# Altium PCB EPS.PcbDoc (part 5 of 10) (continued)
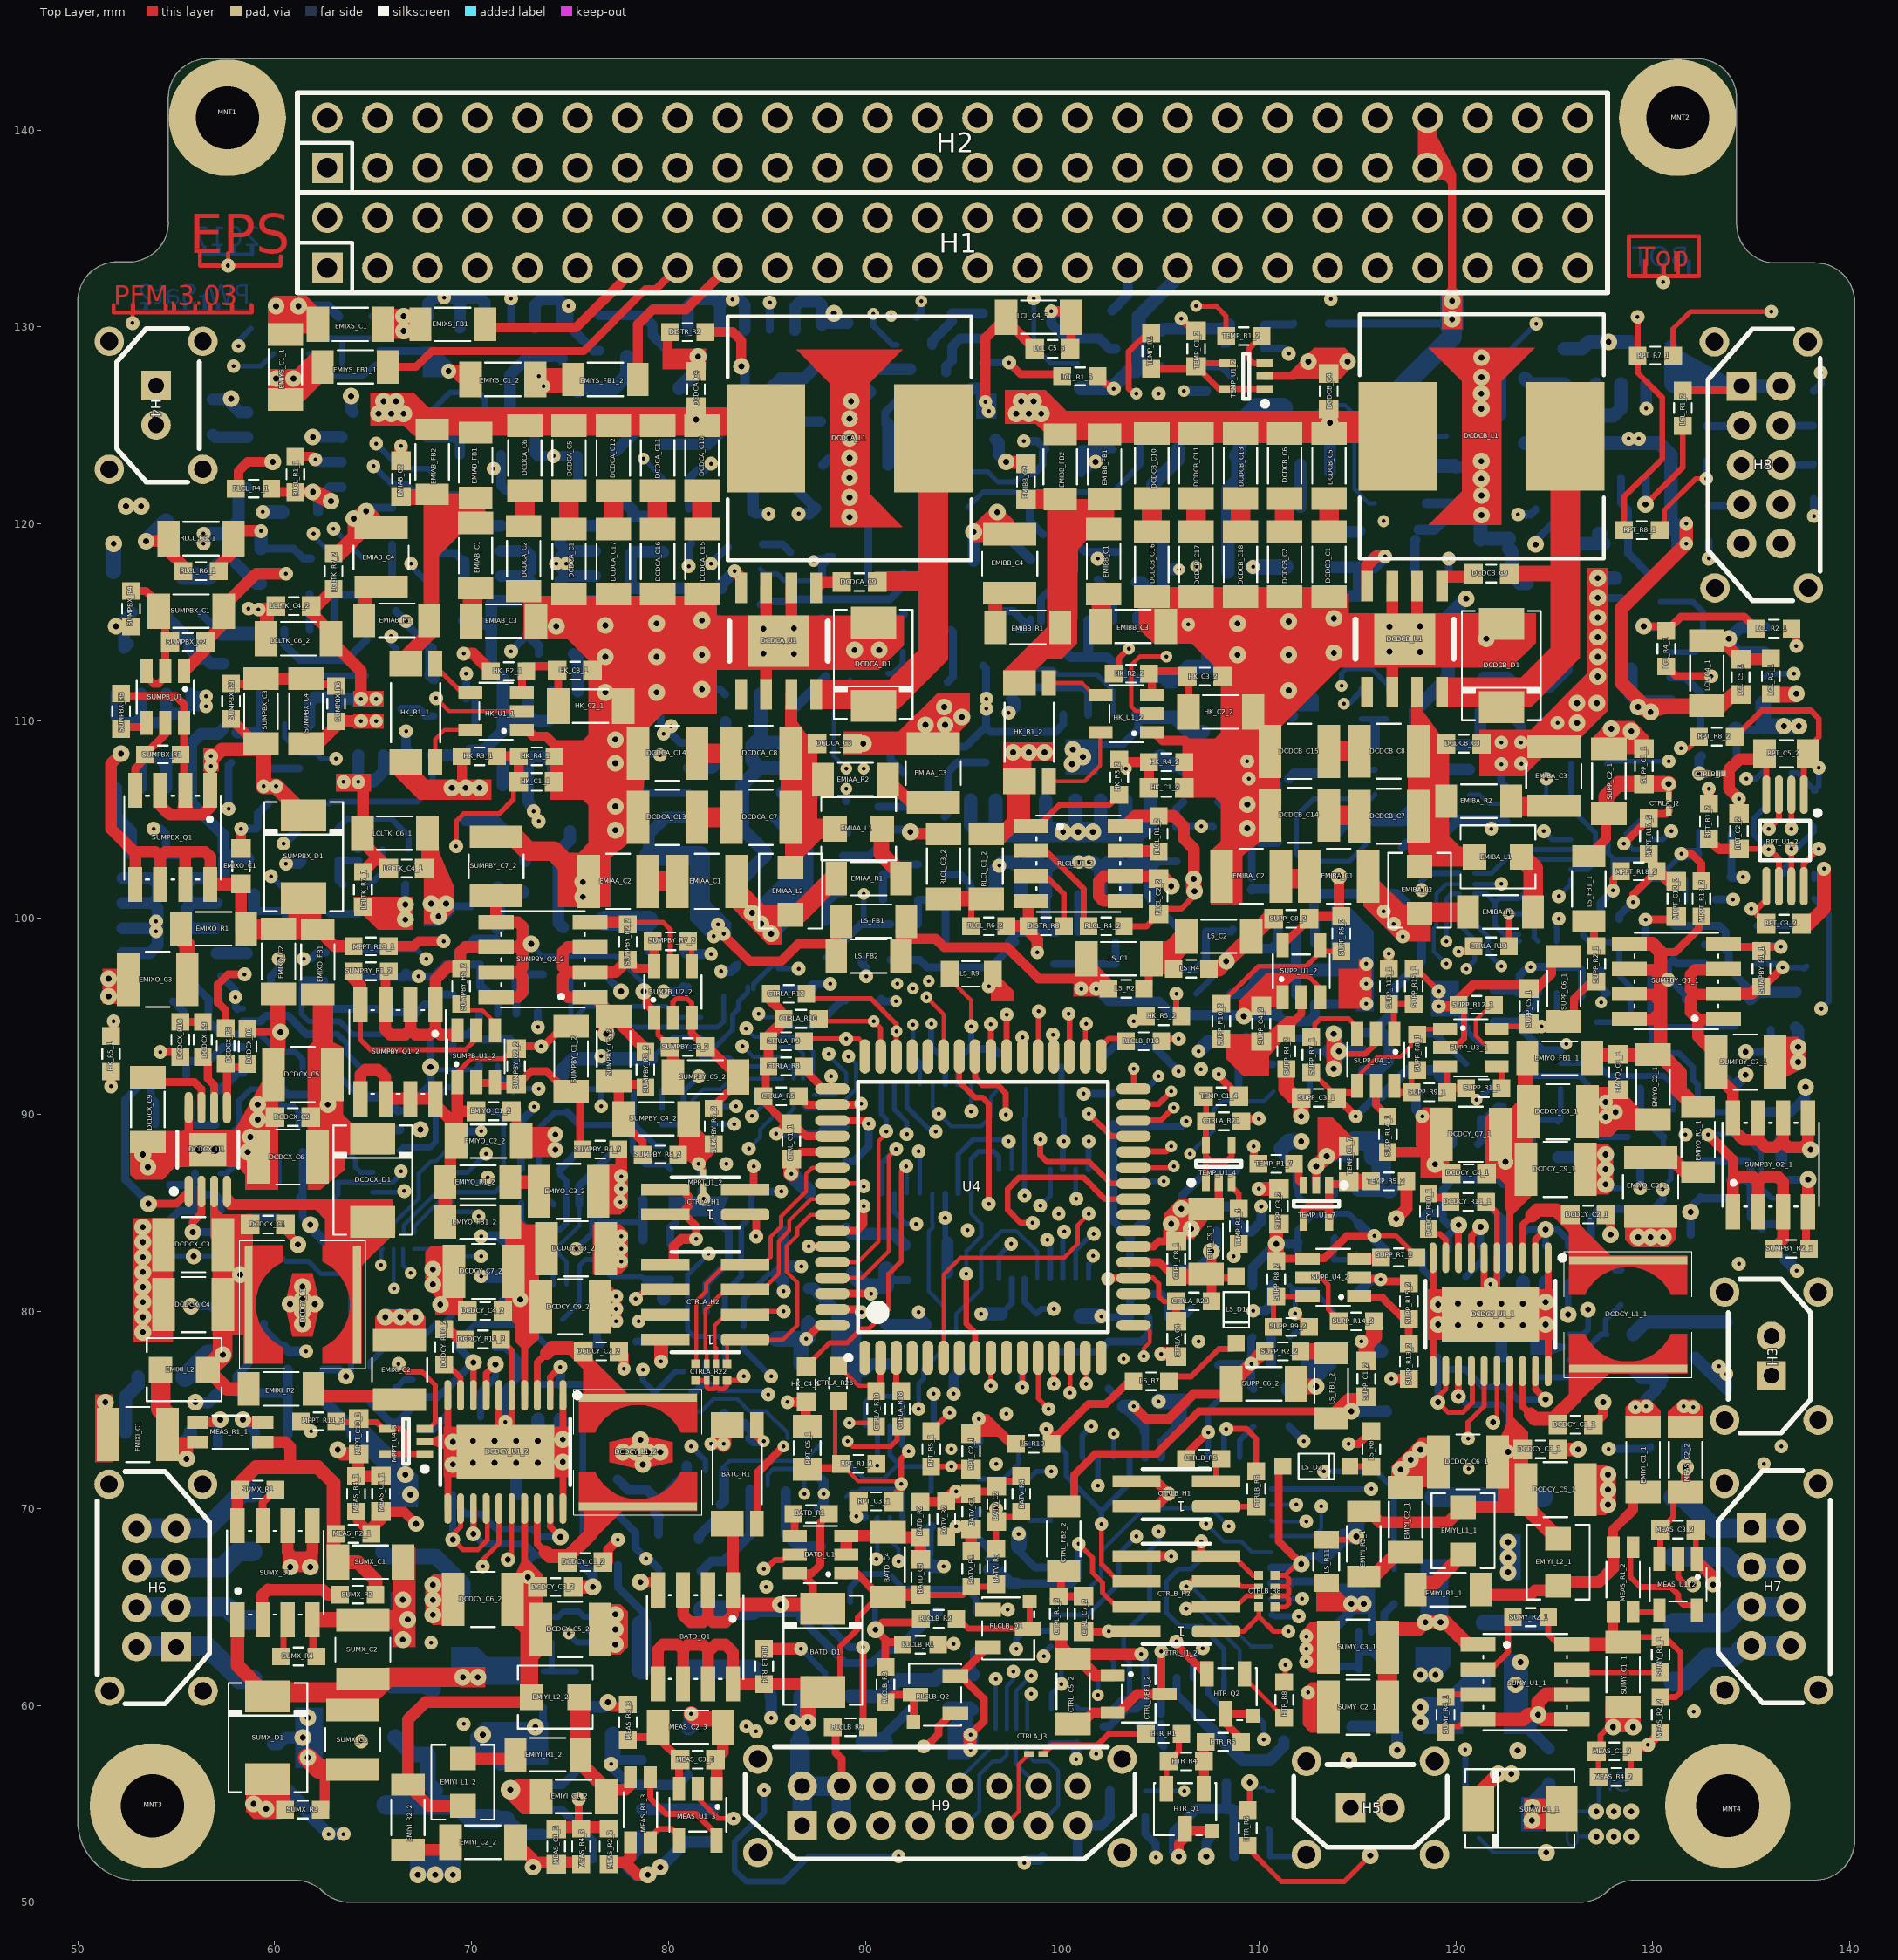
[diagram p0: Top Layer view]
## Nets (pads, with @x,y where several pads share a name; then routed paths per layer and width w, separated by ;. In a path a pad name is that pad's centre, name@x,y a point inside that pad or via, vN(x,y) a via of type N, cw(c..) or ccw(c..) an arc to the next point about the centre after c; other vN are vias at no path point) (continued)
MPPT_Meas_V_1: MEAS_C1_1.1 MEAS_R2_1.2 MEAS_R4_1.1 MPPT_R1_1.2 MPPT_U3_1.6 | length 47.7
  Top Layer w0.4: MEAS_R4_1.1@64.135,69.839 64.224,69.75 MEAS_R4_1.1@64.224,69.928
  Top Layer w0.5: MEAS_R4_1.1@64.224,69.75 64.224,69.391 MEAS_R2_1.2@64.908,68.707 MEAS_R2_1.2@64.908,68.972 ; MEAS_C1_1.1@65.405,69.469 MEAS_C1_1.1@65.405,69.839 65.421,69.823 66.575,69.823 v4(67.183,69.215)
  Top Layer w0.6: MEAS_R2_1.2@64.908,68.972 MEAS_C1_1.1@65.405,69.469
  Signal 1 w0.4: v1(60.198,97.917) 60.198,96.901 61.468,95.631 61.468,89.662 66.04,85.09
  Signal 1 w0.5: v4(67.183,69.215) 66.548,69.215 65.659,70.104 65.659,75.438 64.643,76.454 64.643,78.232 64.262,78.613 64.262,83.312 66.04,85.09 67.056,85.09 69.977,88.011 v1(70.739,88.011)
  Bottom Layer w0.254: MPPT_U3_1.6@69.043,87.068 69.796,87.068 v1(70.739,88.011)
  Bottom Layer w0.4: MPPT_R1_1.2@59.806,96.774 59.806,97.017 60.198,97.409 v1(60.198,97.917)
MPPT_Meas_V_2: MEAS_C1_2.1 MEAS_R2_2.2 MEAS_R4_2.1 MPPT_R1_2.2 MPPT_U3_2.6 | length 71
  Top Layer w0.3: MEAS_R4_2.1@128.878,56.35 MEAS_C1_2.1@128.878,57.62
  Top Layer w0.5: MEAS_C1_2.1@128.878,57.62 129.132,57.874 129.756,57.874 v1(129.756,57.99) MEAS_R2_2.2@130.391,58.625
  Power w0.254: v1(125.222,101.092) 126.619,102.489 131.953,102.489 132.334,102.87 135.193,102.87 135.681,102.381 135.681,94.697 136.398,93.98 136.398,92.202 137.198,91.402 v2(137.757,91.402) 138.811,90.348 138.811,85.725 136.398,83.312 136.398,80.95 137.503,79.845 137.503,76.035 134.709,73.241 131.534,73.241 130.645,72.352 130.645,58.879 v1(129.756,57.99)
  Bottom Layer w0.254: v1(125.222,101.092) 125.826,101.696 MPPT_U3_2.6@125.826,101.959
  Bottom Layer w0.5: MPPT_R1_2.2@135.863,90.132 136.995,90.132 137.757,90.894 v2(137.757,91.402)
MPPT_Meas_V_3: MEAS_C1_3.1 MEAS_R2_3.2 MEAS_R4_3.1 MPPT_R1_3.2 MPPT_U3_3.6 | length 84
  Top Layer w0.4: v1(75.438,55.245) 75.438,53.859 75.476,53.821 MEAS_R4_3.1@75.565,53.732
  Top Layer w0.6: MEAS_C1_3.1@74.489,53.821 75.476,53.821 MEAS_R2_3.2@76.924,53.821
  Signal 1 w0.3: v3(73.175,90.41) 74.154,90.41 74.676,90.932 74.676,94.615 80.518,100.457 82.931,100.457 83.439,99.949 83.439,99.577 84.582,98.434 v1(84.582,95.123)
  Signal 2 w0.4: v3(73.175,90.41) 66.153,90.41 59.817,84.074 59.817,78.486 60.706,77.597 60.706,72.517 64.516,68.707 64.516,62.738 70.358,56.896 73.787,56.896 v1(75.438,55.245) ; v1@84.577,95.128 v1(84.582,95.123)
  Bottom Layer w0.208: v1(84.582,95.123) 84.763,94.942 MPPT_U3_3.6@85.68,94.942
  Bottom Layer w0.4: MPPT_R1_3.2@72.517,87.26 72.517,89.662 73.175,90.32 v3(73.175,90.41)
MPPT_SCLK_1: CTRLA_R4.2 MPPT_U2_1.5 MPPT_U3_1.10 | length 51.9
  Power w0.208: v3(92.419,96.399) 92.419,95.548 92.717,95.25 94.488,95.25 94.996,95.758 97.917,95.758 98.298,96.139 99.187,96.139 99.568,95.758 99.568,94.956 99.8,94.724 101.092,93.432 v1(101.092,91.059)
  Signal 1 w0.208: v1(70.358,84.836) 71.628,86.106 71.628,88.646 71.12,89.154 v3(70.485,89.154)
  Signal 2 w0.208: v3(70.485,89.154) 73.152,89.154 74.295,90.297 75.398,90.297 81.621,96.52 83.633,96.52 86.554,99.441 89.916,99.441 92.422,96.935 92.419,96.932 v3(92.419,96.399)
  Bottom Layer w0.208: v1(101.092,91.059) v1@101.219,91.186 ; CTRLA_R4.2@102.478,91.059 CTRLA_R4.2@102.616,91.197
  Bottom Layer w0.254: MPPT_U3_1.10@69.043,85.068 70.126,85.068 v1(70.358,84.836) ; MPPT_U2_1.5@69.217,89.243 MPPT_U2_1.5@69.306,89.154
  Bottom Layer w0.4: MPPT_U2_1.5@69.306,89.154 v3(70.485,89.154) ; v1(101.092,91.059) CTRLA_R4.2@102.478,91.059
MPPT_SCLK_2: CTRLA_R13.2 MPPT_U2_2.5 MPPT_U3_2.10 | length 10.6
  Top Layer w0.3: v3(122.682,100.203) 122.693,100.192 CTRLA_R13.2@122.693,98.679
  Power w0.3: v3(122.682,100.203) 123.698,101.219 123.698,102.108 124.46,102.87 v1(124.46,104.394)
  Bottom Layer w0.254: v3(122.682,100.203) 123.698,100.203 123.977,99.924 123.977,98.999 MPPT_U2_2.5@124.168,98.808 ; v1(124.46,104.394) 124.895,103.959 MPPT_U3_2.10@125.826,103.959
MPPT_SCLK_3: CTRLA_R25.2 MPPT_U2_3.5 MPPT_U3_3.10 | length 38.7
  Power w0.208: v1(83.757,93.472) 85.524,93.472 87.714,95.661 88.476,95.661 88.874,96.059 88.874,97.637 89.535,98.298 97.282,98.298 98.066,97.514 103.527,97.514 104.902,96.139 v3(104.902,91.948)
  Signal 2 w0.3: v1(83.341,89.521) 82.866,89.521 82.842,89.497 82.55,89.789 82.55,92.266 v1(83.757,93.472)
  Bottom Layer w0.208: v1(83.757,93.472) 84.287,92.942 MPPT_U3_3.10@85.68,92.942
  Bottom Layer w0.3: MPPT_U2_3.5@82.298,89.497 82.322,89.521 v1(83.341,89.521) ; CTRLA_R25.2@104.013,91.197 104.151,91.197 v3(104.902,91.948)
NetBATC_C1_1: BATC_C1.1 BATC_C2.1 BATC_R2.1 BATC_U1.1 | length 4.3
  Bottom Layer w0.5: BATC_U1.1@85.952,70.865 85.952,69.558 85.94,69.546 85.94,68.67 86.538,68.072 BATC_R2.1@87.757,68.072
NetBATC_C1_2: BATC_C1.2 BATC_C2.2 BATC_R3.2 BATC_U1.3 | length 5.6
  Bottom Layer w0.5: BATC_R3.2@81.672,66.802 82.18,67.31 82.805,67.31 BATC_C2.2@83.186,67.691 84.152,68.657 BATC_U1.3@84.152,70.965
NetBATC_C3_1: BATC_C3.1 BATC_C4.1 BATC_R4.2 BATC_U2.3 | length 6.8
  Bottom Layer w0.45: BATC_C4.1@79.502,68.696 BATC_C3.1@79.502,69.596
  Bottom Layer w0.5: BATC_R4.2@77.432,71.474 77.951,70.955 78.905,70.955 79.326,70.534 79.326,69.772 BATC_C3.1@79.502,69.596 ; BATC_C3.1@79.338,70.193 80.927,71.782 BATC_U2.3@80.927,71.931 BATC_U2.3@80.927,72.185
NetBATC_C3_2: BATC_C3.2 BATC_C4.2 BATC_R5.2 BATC_U2.1 | length 8.9
  Bottom Layer w0.208: BATC_U2.1@82.827,71.931 82.827,72.159 83.088,72.42 86.887,72.42 BATC_R5.2@87.757,73.29
  Bottom Layer w0.5: BATC_C4.2@81.545,68.453 81.545,68.591 BATC_C3.2@82.512,69.558 ; BATC_C3.2@82.638,70.193 82.827,70.382 BATC_U2.1@82.827,71.931
NetBATC_R1_1: BATC_R1.1 BATD_D1.K BATD_Q1.S BATD_R1.1 BATD_U1.6 RLCLB_C1.1 RLCLB_C2.1 RLCLB_C3.1 RLCLB_C4.1 RLCLB_U1.1 | length 36.7
  Top Layer w0.4: BATD_U1.6@86.232,66.753 86.282,66.703 BATD_U1.6@86.409,66.703 BATD_U1.6@86.764,66.703 ; BATD_D1.K@87.63,65.113 87.338,65.405 87.338,66.129 BATD_U1.6@86.764,66.703 ; BATD_R1.1@88.271,69.602 88.017,69.602 87.719,69.304 87.719,67.145 87.277,66.703 BATD_U1.6@86.764,66.703
  Top Layer w0.6: BATD_Q1.S@80.739,65.862 80.739,64.6 81.115,64.224 81.75,64.224 82.009,64.483 ; BATD_Q1.S@82.009,65.862 82.009,64.483 ; BATC_R1.1@82.771,69.367 83.261,69.367 83.279,69.35 BATD_Q1.S@83.279,65.862 ; BATD_Q1.S@83.279,65.743 83.279,65.113 83.279,64.61 82.893,64.224 82.258,64.224 82.009,64.473 82.009,64.483
  Top Layer w0.7: BATD_Q1.S@83.279,65.113 v2(85.687,65.113) 87.63,65.113 BATD_D1.K@87.836,64.907
  Bottom Layer w0.4: RLCLB_U1.1@86.688,65.247 86.688,64.835 86.688,64.442 88.979,62.151 90.345,62.151 91.021,62.827 91.645,62.827 RLCLB_C4.1@91.91,63.092
  Bottom Layer w0.5: RLCLB_C4.1@91.91,63.092 93.549,64.731 RLCLB_C3.1@93.688,64.731
  Bottom Layer w0.7: RLCLB_C2.1@84.29,64.835 RLCLB_U1.1@86.688,64.835
  Bottom Layer w1: RLCLB_C1.1@81.75,64.835 RLCLB_C2.1@84.036,64.835 RLCLB_C2.1@84.29,64.835
NetBATC_R1_2: BATC_R1.2 BATC_U1.5 BATC_U2.4 | length 10.1
  Top Layer w0.4: BATC_R1.2@84.526,69.845 84.526,71.826 v3(85.852,73.152)
  Bottom Layer w0.208: BATC_U2.4@81.026,74.93 81.661,74.93 82.296,75.565 83.49,75.565 84.125,74.93 84.963,74.93 86.04,73.853 BATC_U1.5@86.04,73.573
  Bottom Layer w0.254: BATC_U2.4@80.927,74.551 BATC_U2.4@80.927,74.577
NetBATC_R1_3: BATC_R1.3 BATC_U1.4 BATC_U2.5 | length 2.9
  Top Layer w0.5: BATC_R1.3@84.43,73.812 v3(84.836,73.406)
  Bottom Layer w0.5: BATC_U2.5@82.827,74.551 BATC_U2.5@82.827,74.805 ; BATC_U2.5@82.931,74.295 83.871,74.295 BATC_U1.4@84.163,74.003 ; BATC_U1.4@84.14,73.573 84.307,73.406 v3(84.836,73.406)
NetBATD_C3_1: BATD_C3.1 BATD_C4.1 BATD_D1.A BATD_Q1.D BATD_U1.1 BATV_R1.1 BATV_R3.1 H9.1 H9.2 H9.9 H9.10 RLCLB_C5.1 RLCLB_R4.2 RLCLB_R14.2 RLCLB_U1.8 | length 45.5
  Top Layer w0.3: BATD_D1.A@88.722,60.935 88.722,62.992 89.611,63.881 89.611,64.465 BATD_C4.1@90.576,65.43 ; BATD_C3.1@92.799,65.61 94.958,65.61 BATV_R1.1@95.377,66.029 96.52,66.029 BATV_R3.1@96.647,66.156
  Top Layer w0.4: RLCLB_R4.2@88.481,58.89 88.481,57.603 88.79,57.294 H9.10@88.792,55.899 ; BATD_U1.1@89.029,66.703 89.558,66.703 90.766,65.495 BATD_C4.1@91.148,65.495
  Top Layer w0.6: BATD_Q1.D@79.469,61.082 79.469,62.832 79.718,63.081 80.48,63.081 80.739,62.822 ; BATD_Q1.D@80.739,61.082 80.739,62.822 ; BATD_Q1.D@82.009,60.922 BATD_Q1.D@82.009,61.082 82.009,62.705 ; BATD_Q1.D@83.274,61.082 83.274,62.7 82.893,63.081 82.385,63.081 82.009,62.705 ; BATD_Q1.D@83.279,61.082 BATD_D1.A@87.084,61.082 ; BATD_U1.1@88.902,66.703 BATD_U1.1@89.029,66.703 ; BATD_C4.1@91.148,65.495 91.263,65.61 BATD_C3.1@92.799,65.61 ; 80.739,62.822 80.739,62.832 80.988,63.081 81.75,63.081 82.009,62.822 82.009,62.705
  Top Layer w0.8: v2(87.084,59.144) BATD_D1.A@87.084,61.082 ; BATD_D1.A@87.268,60.56 BATD_D1.A@87.963,60.56
  Bottom Layer w0.7: RLCLB_C5.1@86.688,58.144 RLCLB_U1.8@86.688,60.467
  Bottom Layer w1: RLCLB_C5.1@86.688,58.144 86.688,56.001 H9.9@86.79,55.898 ; H9.1@86.79,53.898 H9.9@86.79,55.898 ; H9.2@88.792,53.899 H9.10@88.792,55.899 H9.9@86.79,55.898
  other v2: 86.322,59.144
NetBATD_C3_2: BATD_C3.2 BATD_C4.2 BATD_R2.1 BATD_U1.2 BATD_U1.3 | length 6.2
  Top Layer w0.6: BATD_U1.2@89.029,67.653 89.029,68.476 88.902,68.603 BATD_U1.3@89.029,68.603 90.956,68.603 BATD_C4.2@91.148,68.795 91.412,68.531 BATD_R2.1@92.799,68.531 BATD_C3.2@92.799,67.41
NetBATD_Q1_G: BATD_Q1.G BATD_U1.5 | length 8.8
  Top Layer w0.3: v1(84.836,66.929) 84.963,66.929 85.407,67.373 85.788,67.373 BATD_U1.5@85.941,67.526
  Top Layer w0.5: v2(78.575,66.256) 79.355,66.256 BATD_Q1.G@79.469,66.37
  Power w0.3: v2(78.575,66.256) 84.163,66.256 v1(84.836,66.929)
NetBATD_R1_2: BATD_R1.2 BATD_U1.4 | length 0.7
  Top Layer w0.4: BATD_U1.4@86.409,68.603 BATD_R1.2@86.409,69.275
NetCTRL_C3_1_1: CTRL_C3_1.1 CTRL_C4_1.1 CTRL_FB1_1.2 U4.64 | length 5.6
  Top Layer w0.4: v1(86.995,78.613) 87.688,79.306 U4.64@88.324,79.306
  Bottom Layer w0.4: CTRL_C4_1.1@86.995,79.491 CTRL_C4_1.1@87.122,79.618
  Bottom Layer w0.8: CTRL_FB1_1.2@85.471,78.614 v1(86.995,78.613) 87.122,78.742 CTRL_C4_1.1@87.122,79.364 ; CTRL_C3_1.1@86.741,77.342 86.741,78.613 v1(86.995,78.613)
NetCTRL_C3_2_1: CTRL_C3_2.1 CTRL_C4_2.1 CTRL_FB1_2.2 CTRLB_U1.27 | length 8.2
  Bottom Layer w0.4: CTRLB_U1.27@105.817,61.393 105.817,60.552 CTRL_C4_2.1@106.818,59.551
  Bottom Layer w0.6: CTRL_C4_2.1@106.818,59.551 109.158,57.211 110.526,57.211 111.253,57.938 111.253,58.166
NetCTRL_C5_1_1: CTRL_C5_1.1 CTRL_C6_1.1 CTRL_R1_1.1 CTRL_REF1_1.1 U4.62 | length 7.3
  Top Layer w0.4: U4.62@88.324,80.906 v1(90.29,80.906)
  Bottom Layer w0.4: CTRL_C6_1.1@91.059,81.291 91.368,81.6 CTRL_REF1_1.1@92.141,81.6
  Bottom Layer w0.7: CTRL_C5_1.1@89.408,81.914 89.408,81.788 v1(90.29,80.906)
  Bottom Layer w0.8: CTRL_C5_1.1@89.408,81.914 90.031,81.291 91.059,81.291 CTRL_R1_1.1@91.059,82.158
NetCTRL_C7_1_1: CTRL_C7_1.1 CTRL_FB2_1.2 CTRL_R1_1.2 | length 3.3
  Bottom Layer w0.6: CTRL_FB2_1.2@89.026,84.212 89.291,83.947 91.44,83.947 CTRL_C7_1.1@92.011,83.376
NetCTRL_C7_2_1: CTRL_C7_2.1 CTRL_FB2_2.2 CTRL_R1_2.2 | length 2.7
  Top Layer w0.4: CTRL_FB2_2.2@100.33,66.803 99.949,66.422 99.949,65.543 CTRL_C7_2.1@101.092,65.543 CTRL_C7_2.1@101.219,65.543
NetCTRLA_C2_1: CTRLA_C2.1 CTRLA_R14.1 CTRLA_R15.2 CTRLA_U3.6 | length 5.3
  Bottom Layer w0.3: CTRLA_R14.1@99.938,92.456 99.96,92.434 CTRLA_R15.2@99.96,91.186 CTRLA_C2.1@99.96,89.916 100.076,89.8 v1(100.076,88.646) 100.035,88.605 CTRLA_U3.6@100.035,87.23
NetCTRLA_H1_1: CTRLA_H1.1 CTRLA_R18.2 | length 19.3
  Top Layer w0.254: v3(89.103,73.406) 89.357,73.152 91.288,73.152 91.618,73.482 91.618,73.954 CTRLA_R18.2@91.821,74.157 CTRLA_R18.2@91.832,74.168
  Top Layer w0.4: CTRLA_H1.1@83.857,84.963 CTRLA_H1.1@83.895,84.925 ; CTRLA_H1.1@84.201,84.836 CTRLA_H1.1@84.328,84.963 ; v1(84.455,83.82) 84.455,84.709 CTRLA_H1.1@84.582,84.836
  Top Layer w0.5: CTRLA_R18.2@91.832,74.168 CTRLA_R18.2@91.959,74.295
  Signal 1 w0.254: v1(84.455,83.82) 84.455,80.264 85.598,79.121 86.233,79.121 86.487,79.375 87.376,79.375 87.757,78.994 87.757,73.787 88.138,73.406 v3(89.103,73.406)
NetCTRLA_H1_3: CTRLA_H1.3 CTRLA_R19.2 | length 18.5
  Top Layer w0.254: v3(89.179,74.346) 90.362,74.346 90.5,74.208 CTRLA_R19.2@90.5,73.939
  Top Layer w0.4: CTRLA_H1.3@83.857,86.233 CTRLA_H1.3@83.895,86.195 ; CTRLA_H1.3@84.328,86.106 84.201,86.233 84.328,86.36 v1(84.328,87.376)
  Signal 1 w0.254: v1(84.328,87.376) 84.328,85.598 85.852,84.074 85.852,82.169 89.662,78.359 89.662,74.828 v3(89.179,74.346)
NetCTRLA_J3_1: CTRLA_J3.1 H9.6 | length 4.4
  Top Layer w0.2: 97.79,54.61 97.79,57
  Top Layer w0.208: H9.6@96.79,53.898 97.078,53.898 97.79,54.61 ; 97.79,57 CTRLA_J3.1@98.321,57.531
NetCTRLA_R3_2: CTRLA_R3.2 CTRLA_R6.2 CTRLA_U1.2 | length 5.9
  Bottom Layer w0.4: CTRLA_R3.2@99.706,77.978 99.717,77.967 CTRLA_R6.2@100.965,77.967 101.843,77.967 102.362,78.486 104.013,78.486 104.394,78.867 CTRLA_U1.2@104.394,79.716
NetCTRLA_R4_1: CTRLA_R4.1 CTRLA_R7.2 CTRLA_R13.1 CTRLA_R17.1 CTRLA_R25.1 CTRLA_U1.4 | length 38.1
  Top Layer w0.35: v3(120.142,98.298) CTRLA_R13.1@120.639,98.298
  Top Layer w0.4: CTRLA_R13.1@120.639,98.298 CTRLA_R13.1@120.893,98.552
  Control Signals 1 w0.208: v3(106.299,89.662) 107.25,89.662 112.649,95.061 112.649,97.79 117.221,102.362 119.253,102.362 120.142,101.473 v3(120.142,98.298)
  Bottom Layer w0.4: CTRLA_R4.1@102.605,89.535 102.605,84.582 CTRLA_R7.2@103.494,83.693 ; CTRLA_R4.1@102.616,89.397 CTRLA_R25.1@104.013,89.397 106.034,89.397 v3(106.299,89.662) ; CTRLA_U1.4@103.444,82.336 103.444,83.643 CTRLA_R7.2@103.494,83.693 ; CTRLA_R7.2@103.494,83.936 CTRLA_R7.2@103.494,83.693 ; CTRLA_R17.1@104.267,84.709 CTRLA_R17.1@104.267,84.952
  Bottom Layer w0.5: CTRLA_R7.2@103.494,83.936 CTRLA_R17.1@104.267,84.709
NetCTRLA_R16_1: CTRLA_R16.1 H9.7 | length 5.6
  Bottom Layer w0.2: 99.797,54.905 99.797,56.667
  Bottom Layer w0.208: CTRLA_R16.1@98.196,57.975 98.196,57.506 98.552,57.15 99.314,57.15 99.797,56.667 ; H9.7@98.792,53.899 99.797,54.905
NetCTRLA_R16_2: CTRLA_R16.2 H9.15 | length 2.6
  Bottom Layer w0.208: CTRLA_R16.2@97.638,57.975 97.638,57.051 H9.15@98.792,55.899
NetCTRLA_R16_3: CTRLA_R16.3 H9.5 | length 5.4
  Bottom Layer w0.2: 95.783,54.635 95.783,56.464 96.469,57.15 96.85,57.15 97.18,57.48 CTRLA_R16.3@97.18,57.975
  Bottom Layer w0.208: H9.5@94.79,53.898 95.046,53.898 95.783,54.635
NetCTRLA_R16_4: CTRLA_R16.4 H9.13 | length 2.9
  Bottom Layer w0.2: H9.13@94.79,56.261 96.441,57.912 CTRLA_R16.4@96.596,57.912
  Bottom Layer w0.208: H9.13@94.79,55.898 H9.13@94.79,56.261
NetCTRLA_R17_2: CTRLA_R17.2 H9.14 | length 46.8
  Signal 1 w0.3: v3(105.156,86.614) 106.172,86.614 109.474,83.312 109.474,82.042 106.934,79.502 v1(106.934,78.486)
  Signal 2 w0.3: H9.14@96.79,55.898 96.79,56.118 95.885,57.023 92.71,57.023 91.948,57.785 91.948,59.69 93.218,60.96 94.615,60.96 95.758,62.103 95.758,64.77 101.219,70.231 102.235,70.231 106.934,74.93 v1(106.934,78.486)
  Bottom Layer w0.3: CTRLA_R17.2@104.14,86.752 104.405,86.487 104.532,86.614 v3(105.156,86.614)
NetCTRLA_R18_1: CTRLA_R18.1 U4.3 | length 1.8
  Top Layer w0.3: U4.3@91.574,77.656 91.574,76.204 CTRLA_R18.1@91.821,75.957
NetCTRLA_R19_1: CTRLA_R19.1 CTRLA_R26.1 U4.2 | length 4.2
  Top Layer w0.208: CTRLA_R26.1@88.621,77.252 89.648,76.225 90.283,76.225 CTRLA_R19.1@90.551,75.957
  Top Layer w0.3: CTRLA_R19.1@90.774,75.946 U4.2@90.774,77.656
NetCTRLA_R21_1: CTRLA_R21.1 TEMP_C1_4.1 TEMP_U1_4.1 TEMP_U1_4.4 TEMP_U1_4.5 | length 6.6
  Top Layer w0.3: TEMP_U1_4.1@107.3,86.553 107.3,87.899 ; CTRLA_R21.1@107.304,89.662 CTRLA_R21.1@107.304,89.789 ; TEMP_C1_4.1@107.304,90.932 CTRLA_R21.1@107.304,89.789 ; TEMP_U1_4.4@108.6,88.453 108.6,87.899 108.331,87.63 107.569,87.63 107.3,87.899 ; 107.3,87.899 TEMP_U1_4.5@107.3,88.453 107.3,89.785 CTRLA_R21.1@107.304,89.789
NetCTRLA_U2_1: CTRLA_U2.1 CTRLA_U3.1 U4.8 | length 13.1
  Top Layer w0.3: v1(95.123,81.915) 95.123,79.375 95.574,78.924 U4.8@95.574,77.656
  Bottom Layer w0.208: v1(95.123,81.915) 95.123,83.058 95.885,83.82 95.885,84.455 95.366,84.974 CTRLA_U2.1@95.366,85.998
  Bottom Layer w0.254: CTRLA_U2.1@95.366,85.998 95.366,87.746 95.758,88.138 96.52,88.138 96.785,87.873 CTRLA_U3.1@96.785,87.23
NetCTRLA_U2_8: CTRLA_U2.8 U4.61 | length 11.4
  Top Layer w0.208: U4.61@88.324,81.706 89.834,81.706 91.186,83.058 91.186,87.884 v1(91.567,88.265)
  Bottom Layer w0.3: CTRLA_U2.8@90.816,85.998 90.816,87.514 v1(91.567,88.265)
NetCTRLA_U2_9: CTRLA_U2.9 U4.60 | length 11
  Top Layer w0.208: U4.60@88.324,82.506 89.618,82.506 90.678,83.566 90.678,88.646 v1@91.063,89.031
  Top Layer w0.3: v1@91.063,89.031 v1(91.063,89.15)
  Bottom Layer w0.254: CTRLA_U2.9@90.816,91.548 90.816,90.032 91.063,89.785 v1(91.063,89.15)
NetCTRLA_U2_16: CTRLA_U2.16 CTRLA_U3.16 U4.9 | length 23.9
  Top Layer w0.254: v1(96.374,76.219) U4.9@96.374,77.656
  Signal 2 w0.3: v1(95.377,90.17) 95.377,90.932 95.758,91.313 97.536,91.313 98.044,90.805 98.044,87.376 97.382,86.714 97.382,83.466 v1(97.409,83.439) 97.409,79.883 96.374,78.848 v1(96.374,76.219)
  Bottom Layer w0.208: v1@95.366,90.181 CTRLA_U2.16@95.366,91.548
  Bottom Layer w0.254: CTRLA_U3.16@96.785,81.68 96.785,82.815 v1(97.409,83.439)
  Bottom Layer w0.3: v1@95.366,90.181 v1(95.377,90.17)
NetCTRLA_U3_8: CTRLA_U3.8 U4.59 | length 25.1
  Top Layer w0.4: v1(87.122,83.312) 87.128,83.306 U4.59@88.324,83.306
  Signal 2 w0.3: v1(87.122,83.312) 87.122,84.582 89.662,87.122 90.805,87.122 91.313,86.614 93.472,86.614 94.488,87.63 94.488,91.059 95.504,92.075 97.917,92.075 v1(101.346,88.646)
  Bottom Layer w0.3: CTRLA_U3.8@101.335,87.23 101.335,88.635 v1(101.346,88.646)
NetCTRLA_U3_9: CTRLA_U3.9 U4.58 | length 17.1
  Top Layer w0.4: U4.58@88.324,84.106 89.567,84.106 89.916,84.455 v1(89.916,85.344)
  Power w0.254: v1@101.572,82.776 v1(101.572,82.832)
  Control Signals 2 w0.254: v1(89.916,85.344) 92.202,83.058 95.377,83.058 96.139,82.296 101.035,82.296 v1(101.572,82.832)
  Bottom Layer w0.254: CTRLA_U3.9@101.335,81.68 101.335,82.412 101.6,82.677 101.572,82.705 v1(101.572,82.832)
NetCTRLB_C1_1: CTRLB_C1.1 CTRLB_R3.1 CTRLB_R4.2 CTRLB_U1.35 | length 54.2
  Power w0.3: v1(97.663,62.865) 98.679,63.881 99.949,63.881 102.659,61.171 111.773,61.171 112.045,61.443 114.605,61.443 116.586,63.424 116.586,71.374 115.57,72.39 115.57,73.406 114.935,74.041 114.173,74.041 113.681,74.533 113.681,76.819 113.132,77.368 113.132,83.718 111.52,85.33 v1(110.109,85.33)
  Bottom Layer w0.3: v1(97.663,62.865) 97.663,63.373 98.083,63.793 CTRLB_U1.35@99.417,63.793
  Bottom Layer w0.5: CTRLB_C1.1@107.569,85.333 CTRLB_R4.2@108.839,85.333 108.839,84.582 109.347,84.074 CTRLB_R3.1@109.623,84.074 110.109,84.56 v1(110.109,85.33)
NetCTRLB_C5_1: CTRLB_C5.1 CTRLB_R9.1 CTRLB_R11.1 H9.8 | length 4.7
  Bottom Layer w0.5: CTRLB_C5.1@100.798,52.299 100.798,53.89 100.79,53.898 101.995,53.898 CTRLB_R9.1@102.427,54.331 CTRLB_R11.1@102.427,55.651
NetCTRLB_H1_1: CTRLB_H1.1 CTRLB_R6.1 | length 2
  Top Layer w0.3: CTRLB_H1.1@107.823,70.105 107.835,70.093 CTRLB_R6.1@109.855,70.093
NetCTRLB_H1_3: CTRLB_H1.3 CTRLB_R5.1 | length 1.1
  Top Layer w0.3: CTRLB_H1.3@107.823,71.375 107.823,72.506 CTRLB_R5.1@107.834,72.517
NetCTRLB_R5_2: CTRLB_R5.2 CTRLB_R12.1 CTRLB_U1.9 | length 5.2
  Top Layer w0.3: CTRLB_R5.2@106.034,72.517 CTRLB_R5.2@106.288,72.517 CTRLB_R5.2@106.288,72.76
  Top Layer w0.4: CTRLB_R5.2@106.288,72.76 107.39,73.862 v1(107.417,73.862)
  Bottom Layer w0.3: CTRLB_U1.9@107.417,72.593 v1(107.417,73.862) 107.417,74.97 CTRLB_R12.1@107.925,75.478
NetCTRLB_R6_2: CTRLB_R6.2 CTRLB_U1.10 | length 5.1
  Top Layer w0.3: v1(108.331,74.041) 109.347,74.041 109.855,73.533 CTRLB_R6.2@109.855,71.893
  Bottom Layer w0.3: CTRLB_U1.10@108.217,72.593 108.217,74.181 108.331,74.067 v1(108.331,74.041)
NetCTRLB_R10_1: CTRLB_R10.1 TEMP_C1_5.1 TEMP_U1_5.1 TEMP_U1_5.4 TEMP_U1_5.5 | length 6.4
  Bottom Layer w0.4: TEMP_C1_5.1@113.665,61.965 114.946,61.965 TEMP_U1_5.5@115.062,61.849 115.062,62.738 ; TEMP_U1_5.1@115.062,63.749 115.062,62.738 ; TEMP_U1_5.4@116.332,62.128 115.722,62.738 115.062,62.738 ; TEMP_U1_5.4@116.362,61.849 116.362,61.235 116.713,60.884 CTRLB_R10.1@116.713,60.463
NetCTRLB_U1_1: CTRLB_U1.1 MPPT_R16_1.2 MPPT_U5_1.5 | length 74.6
  Signal 1 w0.254: v1(73.406,91.313) 72.771,91.313 72.263,90.805 72.263,81.788 70.739,80.264 69.723,80.264 68.072,78.613 66.167,78.613 65.405,77.851 65.405,76.962 66.802,75.565 66.802,73.416 68.326,71.892 68.326,68.142 68.758,67.71 70.809,65.659 73.914,65.659 75.184,66.929 76.708,66.929 78.74,64.897 83.312,64.897 84.441,66.026 v1(84.963,66.026)
  Signal 2 w0.254: v1(84.963,66.026) 91.553,66.026 93.726,68.199 94.996,68.199 95.377,68.58 95.377,69.723 98.298,72.644 99.949,72.644 v1(101.473,74.168)
  Bottom Layer w0.254: MPPT_U5_1.5@71.336,92.24 MPPT_U5_1.5@71.336,92.505
  Bottom Layer w0.3: MPPT_U5_1.5@71.336,92.24 71.336,92.036 MPPT_R16_1.2@72.096,91.275 ; MPPT_R16_1.2@72.109,91.148 72.108,91.154 72.108,91.162 MPPT_R16_1.2@72.096,91.275 ; v1(73.406,91.313) 72.134,91.313 MPPT_R16_1.2@72.096,91.275 ; CTRLB_U1.1@101.017,72.593 101.017,73.712 v1(101.473,74.168)
NetCTRLB_U1_2: CTRLB_U1.2 MPPT_R16_2.2 MPPT_U5_2.5 | length 49.1
  Control Signals 2 w0.3: v1(101.817,71.157) 102.796,72.136 112.141,72.136 112.649,72.644 113.919,72.644 114.3,72.263 115.57,72.263 117.856,74.549 117.856,84.328 119.888,86.36 119.888,93.167 122.428,95.707 v3(127.368,95.707)
  Bottom Layer w0.3: v1(101.817,71.157) CTRLB_U1.2@101.817,72.593 ; v3(127.368,95.707) 127.368,95.872 MPPT_R16_2.2@127.666,96.17
  Bottom Layer w0.4: MPPT_U5_2.5@127.343,97.331 127.343,96.493 MPPT_R16_2.2@127.666,96.17
NetCTRLB_U1_3: CTRLB_U1.3 MPPT_R16_3.2 MPPT_U5_3.5 | length 40.5
  Power w0.254: v3(94.361,73.025) v3@94.361,73.062
  Signal 1 w0.254: v1(85.065,75.794) 82.525,75.794 80.473,73.742 80.473,72.308 84.328,68.453 90.297,68.453 92.837,70.993 92.837,72.263 93.599,73.025 v3(94.361,73.025)
  Control Signals 2 w0.3: v3(94.361,73.025) 94.742,73.406 97.282,73.406 97.79,72.898 101.729,72.898 v3(102.617,73.786)
  Bottom Layer w0.208: 81.915,76.454 82.042,76.454 82.52,75.976 84.882,75.976 v1(85.065,75.794)
  Bottom Layer w0.254: CTRLB_U1.3@102.617,72.593 v3(102.617,73.786)
  Bottom Layer w0.3: MPPT_R16_3.2@81.164,75.946 MPPT_R16_3.2@81.407,75.946
  Bottom Layer w0.35: MPPT_R16_3.2@81.407,75.946 81.915,76.454 MPPT_U5_3.5@81.915,77.392
NetCTRLB_U1_13: CTRLB_U1.13 SEL_R5.1 | length 59.6
  Signal 1 w0.208: v3(89.027,106.553) 89.027,105.918 92.202,102.743 94.107,102.743 96.393,100.457 98.298,100.457 101.219,97.536 105.918,97.536 107.569,95.885 110.363,95.885 111.125,95.123 111.125,92.71 113.284,90.551 113.284,89.535 114.427,88.392 114.427,80.772 117.475,77.724 117.475,74.803 113.538,70.866 112.56,70.866 v1(111.887,70.193)
  Bottom Layer w0.208: CTRLB_U1.13@110.617,70.193 v1(111.887,70.193)
  Bottom Layer w0.4: SEL_R5.1@89.027,105.918 v3(89.027,106.553)
NetCTRLB_U1_14: CTRLB_U1.14 SEL_R7.2 | length 77.6
  Signal 1 w0.208: v1(82.169,117.983) 82.169,117.094 83.439,115.824 83.439,113.157 86.614,109.982 89.803,109.982 91.059,108.726 91.059,106.807 96.393,101.473 98.298,101.473 101.473,98.298 106.172,98.298 107.95,96.52 111.252,96.52 112.395,95.377 112.395,92.329 113.792,90.932 113.792,89.789 114.935,88.646 114.935,81.28 118.11,78.105 118.11,74.549 114.808,71.247 114.808,70.485 113.665,69.342 v1(112.395,69.342)
  Bottom Layer w0.208: SEL_R7.2@83.009,118.823 SEL_R7.2@83.009,119.088 ; CTRLB_U1.14@110.617,69.393 110.668,69.342 v1(112.395,69.342)
  Bottom Layer w0.4: v1(82.169,117.983) SEL_R7.2@83.009,118.823
NetCTRLB_U1_19: CTRLB_U1.19 RPT_R3_2.2 | length 93.4
  Signal 1 w0.208: v1(132.08,59.69) 132.461,59.309 135.255,59.309 138.43,62.484 138.43,69.342 136.906,70.866 136.906,72.009 137.414,72.517 137.414,73.533 137.033,73.914 137.033,75.311 137.414,75.692 137.414,79.502 136.525,80.391 136.525,82.677 139.192,85.344 139.192,94.742 v1(138.557,95.377)
  Signal 2 w0.208: v1(112.186,65.419) 111.012,65.419 109.855,64.262 109.855,60.706 111.1,59.461 111.1,51.841 111.912,51.029 120.142,51.029 121.422,52.308 121.422,53.858 128.016,60.452 130.556,60.452 131.318,59.69 v1(132.08,59.69)
  Bottom Layer w0.3: CTRLB_U1.19@110.617,65.393 112.16,65.393 v1(112.186,65.419) ; RPT_R3_2.2@138.187,100.965 138.938,100.214 138.938,95.758 v1(138.557,95.377)
NetCTRLB_U1_20: CTRLB_U1.20 RPT_R5_2.2 | length 90.4
  Signal 1 w0.208: v1(134.366,82.423) 137.16,85.217 137.16,86.392 137.152,86.4 137.152,89.019 137.541,89.408 138.049,89.408 138.684,90.043 138.684,93.726 137.795,94.615 137.795,98.933 137.287,99.441 133.731,99.441 133.223,99.949 133.223,102.743 135.128,104.648 135.128,106.68 v1(134.747,107.061)
  Signal 2 w0.208: v1(112.014,64.516) 111.125,64.516 110.49,63.881 110.49,61.239 114.503,57.226 v2(114.554,57.226) ; v2(123.139,57.709) 124.104,57.709 127.737,61.341 130.429,61.341 133.765,64.677 133.765,67.022 133.223,67.564 131.826,67.564 130.915,68.475 130.915,80.242 133.096,82.423 v1(134.366,82.423)
  Control Signals 1 w0.208: v2(114.554,57.226) 115.214,56.566 116.992,56.566 117.919,55.639 119.952,55.639 122.022,57.709 v2(123.139,57.709)
  Bottom Layer w0.3: CTRLB_U1.20@110.617,64.593 110.667,64.643 110.794,64.516 v1(112.014,64.516) ; v1(134.747,107.061) 135.244,107.061 RPT_R5_2.2@135.763,107.58
NetCTRLB_U1_42: CTRLB_U1.42 SUPP_R13_2.2 | length 27.3
  Top Layer w0.5: v1(116.713,76.581) 117.591,76.581 SUPP_R13_2.2@117.602,76.57
  Signal 1 w0.254: v1(99.441,71.882) 100.076,72.517 100.076,74.549 100.965,75.438 101.727,75.438 102.997,76.708 106.172,76.708 106.68,76.2 110.744,76.2 112.014,77.47 113.665,77.47 114.554,76.581 v1(116.713,76.581)
  Bottom Layer w0.254: CTRLB_U1.42@99.417,69.393 98.374,69.393 97.917,69.85 97.917,71.12 98.679,71.882 v1(99.441,71.882)
NetDCDCA_C1_2: DCDCA_C1.2 DCDCA_C5.1 | length 2
  Top Layer w1: DCDCA_C1.2@74.95,119.75 DCDCA_C5.1@74.95,121.7
NetDCDCA_C2_2: DCDCA_C2.2 DCDCA_C6.1 | length 1.4
  Top Layer w1: DCDCA_C2.2@72.7,120.269 DCDCA_C6.1@72.7,121.7
NetDCDCA_C3_1: DCDCA_C3.1 DCDCA_C7.1 DCDCA_C8.1 DCDCA_U1.7 EMIAA_L1.1 EMIAA_L2.1 EMIAA_R2.2 | length 7.8
  Top Layer w0.6: DCDCA_C8.1@86.2,108.35 86.235,108.385 DCDCA_U1.7@86.235,111.35
  Top Layer w1: DCDCA_C7.1@86.2,105.1 DCDCA_C8.1@86.2,108.35 ; DCDCA_C8.1@86.235,108.385 86.7,108.85 DCDCA_C3.1@87.55,108.85
NetDCDCA_C4_1: DCDCA_C4.1 DCDCA_C5.2 DCDCA_C6.2 DCDCA_C10.1 DCDCA_C11.1 DCDCA_C12.1 DCDCA_L1.1 DCDCA_R1.2 EMIAB_FB1.2 EMIAB_FB2.2 | length 4.7
  Bottom Layer w0.6: DCDCA_R1.2@77.343,123.709 78.934,125.3 v2(81.4,125.3)
  other v2: 65.278,125.603 65.913,125.603 66.548,125.603 65.532,126.238 66.167,126.238
NetDCDCA_C7_2: DCDCA_C7.2 DCDCA_C13.1 | length 1.8
  Top Layer w1: DCDCA_C13.1@81.45,105.1 DCDCA_C7.2@83.2,105.1
NetDCDCA_C8_2: DCDCA_C8.2 DCDCA_C14.1 | length 1.8
  Top Layer w1: DCDCA_C14.1@81.45,108.35 DCDCA_C8.2@83.2,108.35
NetDCDCA_C9_1: DCDCA_C9.1 DCDCA_D1.K DCDCA_L1.2 DCDCA_U1.8 | length 12.8
  Top Layer w1: DCDCA_C9.1@90.6,117.1 93.45,117.1
  Top Layer w1.5: 93.45,114.35 93.45,117.1 DCDCA_L1.2@93.45,124.35
NetDCDCA_C9_2: DCDCA_C9.2 DCDCA_U1.1 | length 1.4
  Top Layer w0.6: DCDCA_U1.1@87.505,116.75 87.805,117.05 DCDCA_C9.2@88.8,117.05
NetDCDCA_C10_2: DCDCA_C10.2 DCDCA_C15.1 | length 2
  Top Layer w1: DCDCA_C15.1@81.7,119.75 DCDCA_C10.2@81.7,121.7
NetDCDCA_C11_2: DCDCA_C11.2 DCDCA_C16.1 | length 2
  Top Layer w1: DCDCA_C16.1@79.45,119.75 DCDCA_C11.2@79.45,121.7
NetDCDCA_C12_2: DCDCA_C12.2 DCDCA_C17.1 | length 2
  Top Layer w1: DCDCA_C17.1@77.2,119.75 DCDCA_C12.2@77.2,121.7
NetDCDCA_C18_1: DCDCA_C18.1 DCDCA_R1.1 DCDCA_R2.2 | length 3.4
  Bottom Layer w0.6: DCDCA_R1.1@77.343,121.909 77.343,121.539 78.194,120.688 DCDCA_C18.1@78.194,120.38 79.707,120.38 DCDCA_R2.2@79.718,120.369
NetDCDCA_C18_2: DCDCA_C18.2 DCDCA_C19.1 DCDCA_C20.1 DCDCA_R2.1 DCDCA_R3.2 DCDCA_U1.4 | length 9.8
  Top Layer w0.6: v1(83.363,117.602) DCDCA_U1.4@83.655,117.31
  Bottom Layer w0.6: DCDCA_R2.1@79.718,118.569 79.707,118.58 DCDCA_C18.2@78.194,118.58 78.1,118.486 DCDCA_C19.1@78.1,116.75 DCDCA_R3.2@80.6,116.75 DCDCA_C20.1@82.259,116.75 ; DCDCA_C20.1@82.385,116.624 DCDCA_C20.1@82.259,116.75 ; DCDCA_C20.1@82.7,116.75 DCDCA_C20.1@82.511,116.75 ; v1(83.363,117.602) DCDCA_C20.1@82.511,116.75 ; DCDCA_C20.1@82.259,116.75 DCDCA_C20.1@82.511,116.75
NetDCDCA_C19_2: DCDCA_C19.2 DCDCA_R5.2 | length 1.3
  Bottom Layer w0.6: DCDCA_R5.2@78.1,113.65 DCDCA_C19.2@78.1,114.95
NetDCDCA_R3_1: DCDCA_R3.1 DCDCA_R4.2 | length 1.3
  Bottom Layer w0.6: DCDCA_R4.2@80.6,113.65 DCDCA_R3.1@80.6,114.95
NetDCDCB_C1_2: DCDCB_C1.2 DCDCB_C5.1 | length 1.7
  Top Layer w1: DCDCB_C1.2@113.55,119.6 DCDCB_C5.1@113.55,121.3
NetDCDCB_C2_2: DCDCB_C2.2 DCDCB_C6.1 | length 1.7
  Top Layer w1: DCDCB_C2.2@111.3,119.6 DCDCB_C6.1@111.3,121.3